# Altium PCB NGIStepUpPCB.PcbDoc (part 1 of 2) (continued)
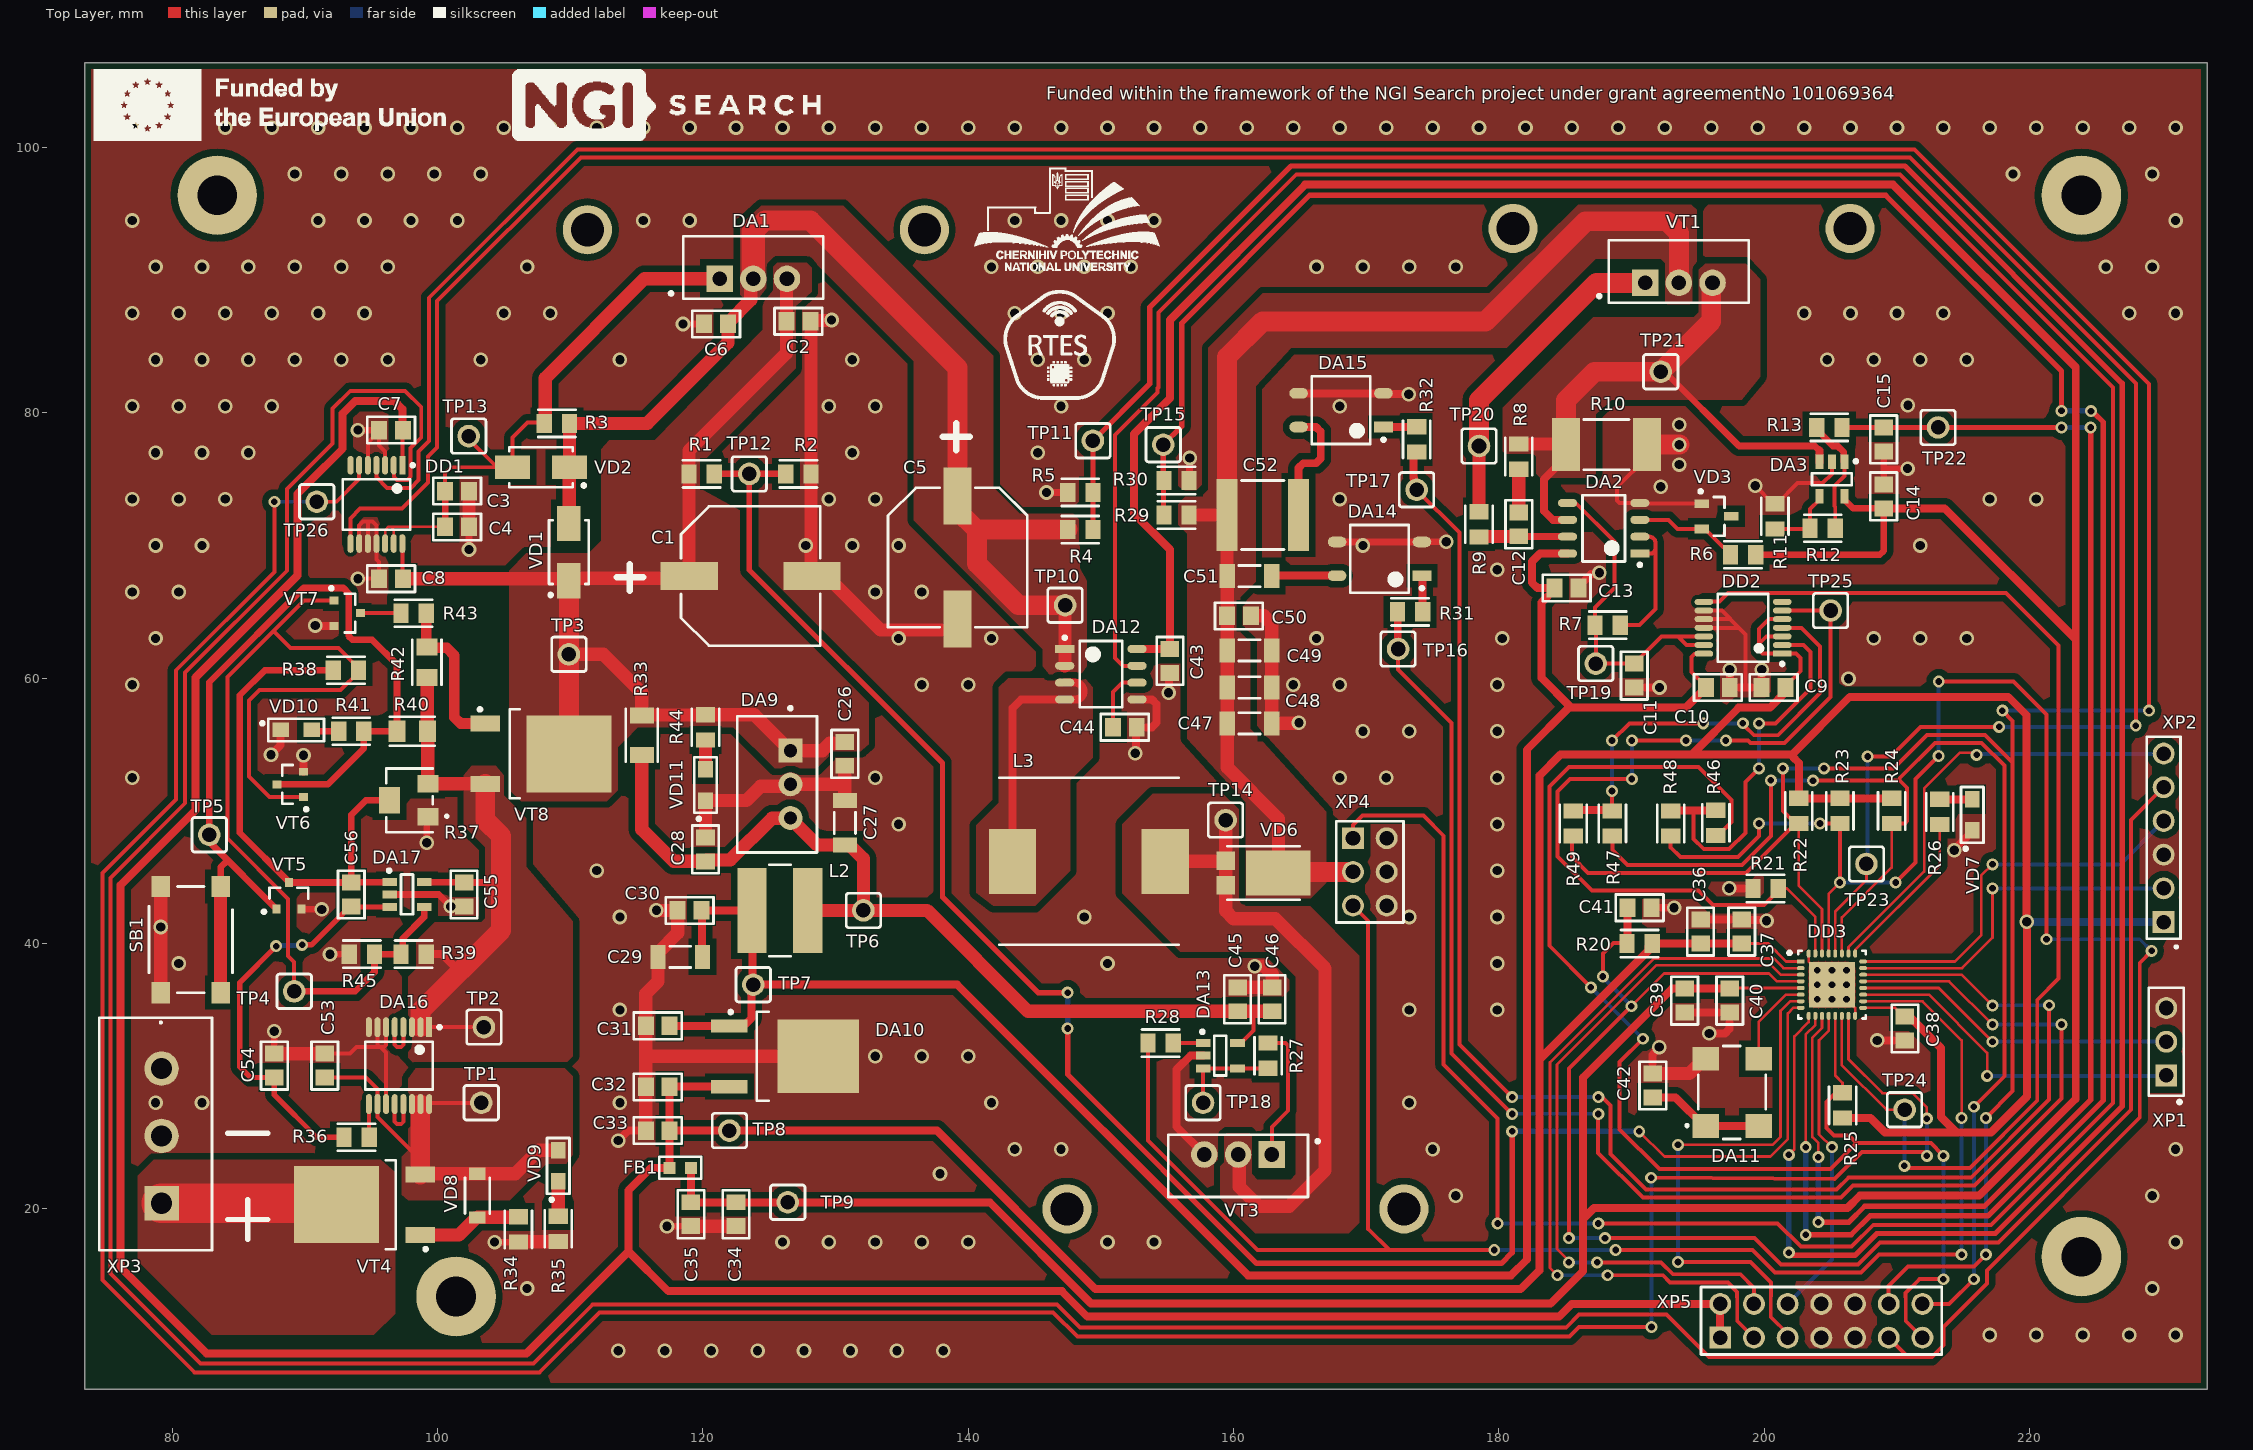
[diagram p0: Top Layer view]
## Part data (continued)
C52: "Multilayer Ceramic Capacitors MLCC - SMD/SMT 2220 35VDC 47uF 20% X7R", Case=2220, Dielectric=X7R, Manufacturer=TDK, Mouser Part Number=810-C5750X7R1V476M23, Power/Voltage=35V, Tolerance=20%, Datasheet Link=https://product.tdk.com/system/files/dam/doc/product/capacitor/ceramic/mlcc/catalog/mlcc_commercial_general_en.pdf, ManufacturerPartNumber=C5750X7R1V476M230KC, Mouser Price/Stock=https://eu.mouser.com/ProductDetail/TDK/C5750X7R1V476M230KC?qs=rSMjJ%252B1ewcSIfs95ZgB3Sw%3D%3D
C54: "Multilayer Ceramic Capacitors MLCC - SMD/SMT 50 V 680pF C0G 0805 5%", Case=0805, Dielectric="C0G (NP0)", Manufacturer=YAGEO, Mouser Part Number=603-CC805JRNPO9BN681, Power/Voltage=50V, Tolerance=5%, Datasheet Link=https://eu.mouser.com/datasheet/2/447/UPY_GP_NP0_16V_to_50V_18-1730511.pdf, ManufacturerPartNumber=CC0805JRNPO9BN681, Mouser Price/Stock=https://eu.mouser.com/ProductDetail/YAGEO/CC0805JRNPO9BN681?qs=AgBp2OyFlx9ovATSZcyCAw%3D%3D
C56: "Multilayer Ceramic Capacitors MLCC - SMD/SMT 50 V 10 pF C0G 0805 5%", Case=0805, Dielectric="C0G (NP0)", Manufacturer=YAGEO, Mouser Part Number=603-CC805JRNPO9BN100, Power/Voltage=50V, Tolerance=5%, Datasheet Link=https://eu.mouser.com/datasheet/2/447/UPY_GP_NP0_16V_to_50V_18-1730511.pdf, ManufacturerPartNumber=CC0805JRNPO9BN100, Mouser Price/Stock=https://eu.mouser.com/ProductDetail/YAGEO/CC0805JRNPO9BN100?qs=DBlb8Oi07mYgwCvOiwRYAw%3D%3D
DA1: "Linear Voltage Regulators 5 AMP ADJUSTABLE REG", Case=TO-220, Manufacturer="Texas Instruments", Mouser Part Number=926-LM338T/NOPB, Datasheet Link=https://www.ti.com/lit/ds/symlink/lm138.pdf?ts=1704385927498&ref_url=https%253A%252F%252Feu.mouser.com%252F, ManufacturerPartNumber=LM338T, Mouser Price/Stock=https://eu.mouser.com/ProductDetail/Texas-Instruments/LM338T-NOPB?qs=X1J7HmVL2ZENaH7%2FMvkSlw%3D%3D
DA2: "Operational Amplifiers - Op Amps Dual Operational Amplifier", Case=SOIC-8, Manufacturer="Texas Instruments", Mouser Part Number=595-LM258DRG4, Datasheet Link=https://www.ti.com/lit/ds/symlink/lm2904ba.pdf?ts=1704458867193&ref_url=https%253A%252F%252Fwww.mouser.com.tr%252F, ManufacturerPartNumber=LM258DRG4, Mouser Price/Stock=https://eu.mouser.com/ProductDetail/Texas-Instruments/LM258DRG4?qs=VBduBm9rCJSSuHFL4rPBDA%3D%3D
DA3: "Precision Amplifiers Single, Lw Cst, 8MHz, RRIO, 5V OpAmp", Case="SOT-23 5pin", Manufacturer="Analog Devices Inc.", Mouser Part Number=584-AD8601WDRTZ-R, Datasheet Link=https://eu.mouser.com/datasheet/2/609/ad8601_8602_8604-3119459.pdf, ManufacturerPartNumber=AD8601WDRTZ-REEL, Mouser Price/Stock=https://eu.mouser.com/ProductDetail/Analog-Devices/AD8601WDRTZ-REEL?qs=%2FtpEQrCGXCxTn38zRtQA5Q%3D%3D
DA9: "Non-Isolated DC/DC Converters dc-dc non-isolated, 0.5 A, 15-36 Vdc input, 12 Vdc output, SIP", Case=POSITIVEOUTPUT, Manufacturer="CUI Inc.", Mouser Part Number=490-PXO7812-500-S, Datasheet Link=https://eu.mouser.com/datasheet/2/670/pxo78_500_s-3313217.pdf, ManufacturerPartNumber=PXO7812-500-S, Mouser Price/Stock=https://eu.mouser.com/ProductDetail/CUI-Inc/PXO7812-500-S?qs=Y0Uzf4wQF3kdbacxg4U5TQ%3D%3D
DA10: "Linear Voltage Regulators 3.3 V 500mA Fix Pos Voltage Regulator", Case="TO-252 3pin", Manufacturer="Texas Instruments", Mouser Part Number=595-UA78M33CKVURG3, Datasheet Link=https://www.ti.com/lit/ds/symlink/ua78m.pdf?ts=1704830544530&ref_url=https%253A%252F%252Fwww.mouser.ch%252F, ManufacturerPartNumber=UA78M33CKVURG3, Mouser Price/Stock=https://eu.mouser.com/ProductDetail/Texas-Instruments/UA78M33CKVURG3?qs=0O%2FZFlpUpJXrDg4gfD1Q2g%3D%3D
DA11: "Standard Clock Oscillators XTAL OSC XO 8.0000MHZ HCMOS SMD", Case="HCMOS 7 mm x 5 mm", Manufacturer=ABRACON, Mouser Part Number=815-ASV-8-EJ-T, Datasheet Link=https://eu.mouser.com/datasheet/2/3/ASV-3106233.pdf, ManufacturerPartNumber=ASV-8.000MHZ-EJ-T, Mouser Price/Stock=https://eu.mouser.com/ProductDetail/ABRACON/ASV-8.000MHZ-EJ-T?qs=2xLVn2jvFusvDzqul0mkiw%3D%3D
DA12: "Board Mount Current Sensors XtremeSense TMR Ultra-Low Noise, 8-lead SOIC (20 ADC; VDD = 3.3 V; Up to +125C)", Case=SOIC-8, Manufacturer="Crocus Technology", Mouser Part Number=462-CT426-HSN820DR, Datasheet Link=https://eu.mouser.com/datasheet/2/779/CT426_Data_Sheet_Rev0_7-2934570.pdf, ManufacturerPartNumber=CT426-HSN820DR, Mouser Price/Stock=https://eu.mouser.com/ProductDetail/Crocus/CT426-HSN820DR?qs=7D1LtPJG0i3u5AJ0mZ7fbw%3D%3D
DA13: "Gate Drivers 25V 1-CH low-side 1.5A,Single input", Case="SOT-23 5pin", Manufacturer=Infineon, Mouser Part Number=942-IRS44273LTRPBF, Datasheet Link=https://eu.mouser.com/datasheet/2/196/Infineon_IRS44273L_DS_v01_00_EN-3363539.pdf, ManufacturerPartNumber=IRS44273LTRPBF, Mouser Price/Stock=https://eu.mouser.com/ProductDetail/Infineon-Technologies/IRS44273LTRPBF?qs=mm%2F7efQvNxqxS8rwPY9f8Q%3D%3D
DA14 DA15: "Solid State Relays - PCB Mount 60V,1.7A, 80mOhm ONr 1 Form A, SOP4/SMT", Case=SOP-4, Manufacturer=Omron, Mouser Part Number=653-G3VM61GR2, Datasheet Link=https://eu.mouser.com/datasheet/2/307/en-g3vm_61gr2-780127.pdf, ManufacturerPartNumber=G3VM-61GR2, Mouser Price/Stock=https://eu.mouser.com/ProductDetail/Omron-Electronics/G3VM-61GR2?qs=ycOx5YLpuFVseArz%252BUpyOA%3D%3D
DA16: "Current & Power Monitors & Regulators 36V, bi-directional, precision current sense amplifier w/int. shunt resistor 16-TSSOP -40 to 125", Case=TSSOP-16, Manufacturer="Texas Instruments", Mouser Part Number=595-INA250A1PWR, Datasheet Link=https://www.ti.com/lit/ds/symlink/ina250.pdf?ts=1706467287893&ref_url=https%253A%252F%252Feu.mouser.com%252F, ManufacturerPartNumber=INA250A1PWR, Mouser Price/Stock=https://eu.mouser.com/ProductDetail/Texas-Instruments/INA250A1PWR?qs=dHDuPHwQO790CDZpmrjjbA%3D%3D
DA17: "Analog Comparators 2.2-V to 36-V, micro Power Comparator", Case="SOT-23 5pin", Manufacturer="Texas Instruments", Datasheet Link=https://www.ti.com/lit/ds/symlink/tlv1702.pdf?ts=1706525533181&ref_url=https%253A%252F%252Feu.mouser.com%252F, ManufacturerPartNumber=TLV1701AIDCKR, Mouser Part Number=TLV1701AIDCKR, Mouser Price/Stock=https://eu.mouser.com/ProductDetail/Texas-Instruments/TLV1701AIDCKR?qs=n7vHx8wJlDHoumX0KH24OA%3D%3D
DD1 DD2: "Digital Potentiometer ICs 8-bit, vol Digi Pot 5K ohm, 14ld TSSOP", Case=TSSOP-14, Manufacturer=Microchip, Mouser Part Number=579-MCP45HV51-502EST, Datasheet Link=https://eu.mouser.com/datasheet/2/268/MCP45HVX1_Data_Sheet_DS20005304-3224813.pdf, ManufacturerPartNumber=MCP45HV51-502E/ST, Mouser Price/Stock=https://eu.mouser.com/ProductDetail/Microchip-Technology/MCP45HV51-502E-ST?qs=wzzOUr4NhYo51RHFtIUWQw%3D%3D
DD3: "ARM Microcontrollers - MCU Ultra-low-power FPU Arm Cortex-M4 MCU 80 MHz 256 Kbytes of Flash , USB", Case=UFQFPN-32, Manufacturer=STMicroelectronics, Mouser Part Number=511-STM32L432KCU6, Datasheet Link=https://eu.mouser.com/datasheet/2/389/stm32l432kb-1851151.pdf, ManufacturerPartNumber=STM32L432KCU6, Mouser Price/Stock=https://eu.mouser.com/ProductDetail/STMicroelectronics/STM32L432KCU6?qs=dTJS0cRn7oiybcTRwI97Tw%3D%3D
FB1: "Ferrite Beads WE-CBF 0603 100MHz 1000Ohm 300mA AEC-Q200", Case=0603, Frequency="100 MHz", Manufacturer="Wurth Elektronik", Maximum Current="300 mA", Mouser Part Number=710-742792664, Datasheet Link=https://www.we-online.com/components/products/datasheet/742792664.pdf, ManufacturerPartNumber=742792664, Mouser Price/Stock=https://eu.mouser.com/ProductDetail/Wurth-Elektronik/742792664?qs=5twSNpOB8ICHwt6lnbKGWQ%3D%3D
L2: "Power Inductors - SMD Ind,6x6x4.7mm,47uH+/-20%,1A,semi-shd", Case=R55, Manufacturer=Bourns, Maximum Current="1 A", Maximum Resistance="305 mOhms", Mouser Part Number=652-SRN6045HA-470M, Tolerance=20%, Datasheet Link=https://eu.mouser.com/datasheet/2/54/SRN6045HA_datasheet-2498144.pdf, ManufacturerPartNumber=SRN6045HA-470M, Mouser Price/Stock=https://eu.mouser.com/ProductDetail/Bourns/SRN6045HA-470M?qs=e8oIoAS2J1TQqJ%2FyaON1CQ%3D%3D
L3: "Power Inductors - SMD 22uH 8A 6.5mm 20% SMT", Case="Footprint 2", Manufacturer="Pulse Electronics", Maximum Current="10 A", Maximum Resistance="35 mOhms", Mouser Part Number=673-PA4343.223ANLT, Tolerance=20%, Datasheet Link=https://eu.mouser.com/datasheet/2/447/pulse_plei_s_a0011300682_1-2904644.pdf, ManufacturerPartNumber=PA4343.223ANLT, Mouser Price/Stock=https://eu.mouser.com/ProductDetail/Pulse-Electronics/PA4343.223ANLT?qs=chTDxNqvsynRNYLFa1aovw%3D%3D
R1 R4 R29: "Thick Film Resistors 9.1 kOhms 125 mW 0805 1%", Case=0805, Manufacturer=YAGEO, Mouser Part Number=603-RC0805FR-079K1L, Power/Voltage="125 mW / 150V", Tolerance=1%, Datasheet Link=https://eu.mouser.com/datasheet/2/447/YAGEO_PYu_RC_Group_51_RoHS_L_12-3313492.pdf, ManufacturerPartNumber=RC0805FR-079K1L, Mouser Price/Stock=https://eu.mouser.com/ProductDetail/YAGEO/RC0805FR-079K1L?qs=sGAEpiMZZMvdGkrng054t8AJgcdMkx7xQsgCDGWWsX0%3D
R2 R5 R30: "Thick Film Resistors 1.3 kOhms 250 mW 0805 1%", Case=0805, Manufacturer=YAGEO, ManufacturerPartNumber=RC0805FR-101K3, Mouser Part Number=603-RC0805FR-101K3L, Power/Voltage="250 mW / 150V", Tolerance=1%, Datasheet Link=https://eu.mouser.com/datasheet/2/447/PYu_RC_Group_51_RoHS_L_11-1984063.pdf, Mouser Price/Stock=https://eu.mouser.com/ProductDetail/YAGEO/RC0805FR-101K3L?qs=sGAEpiMZZMvdGkrng054tyq4809kW%252ByTH4crGNSozBI%3D
R3 R9 R13 R28: "Thick Film Resistors 120 Ohms 125 mW 0805 1%", Case=0805, Manufacturer=YAGEO, Mouser Part Number=603-RC0805FR-07120RL, Power/Voltage="125 mW / 150V", Tolerance=1%, Datasheet Link=https://eu.mouser.com/datasheet/2/447/YAGEO_PYu_RC_Group_51_RoHS_L_12-3313492.pdf, ManufacturerPartNumber=RC0805FR-07120RL, Mouser Price/Stock=https://eu.mouser.com/ProductDetail/YAGEO/RC0805FR-07120RL?qs=sGAEpiMZZMvdGkrng054t8Tx25L%252BvTaRzcdZIgz1A9Y%3D
R6: "Thick Film Resistors 3.9kOhms 1/8W 0805 1%", Case=0805, Manufacturer=YAGEO, Mouser Part Number=603-RC0805FR-103K9L, Power/Voltage="125 mW / 150V", Tolerance=1%, Datasheet Link=https://eu.mouser.com/datasheet/2/447/PYu_RC_Group_51_RoHS_L_11-1984063.pdf, ManufacturerPartNumber=RC0805FR-103K9L, Mouser Price/Stock=https://eu.mouser.com/ProductDetail/YAGEO/RC0805FR-103K9L?qs=sGAEpiMZZMvdGkrng054t8AJgcdMkx7xNu5h6kkjzWs%3D
R7: "Thick Film Resistors 20 kOhms 125 mW 0805 1%", Case=0805, Manufacturer=YAGEO, Mouser Part Number=603-RC0805FR-1020KL, Power/Voltage="125 mW / 150V", Tolerance=1%, Datasheet Link=https://eu.mouser.com/datasheet/2/447/PYu_RC_Group_51_RoHS_L_11-1984063.pdf, ManufacturerPartNumber=RC0805FR-1020KL, Mouser Price/Stock=https://eu.mouser.com/ProductDetail/YAGEO/RC0805FR-1020KL?qs=sGAEpiMZZMvdGkrng054t7z4BkURc4LzyQBLWrMO%252BznK%2FJbWTd%2FqOQ%3D%3D
R8 R11: "Thick Film Resistors 2 kOhms 125 mW 0805 1%", Case=0805, Manufacturer=YAGEO, Mouser Part Number=603-RC0805FR-072KL, Power/Voltage="125 mW / 150V", Tolerance=1%, Datasheet Link=https://eu.mouser.com/datasheet/2/447/YAGEO_PYu_RC_Group_51_RoHS_L_12-3313492.pdf, ManufacturerPartNumber=RC0805FR-072KL, Mouser Price/Stock=https://eu.mouser.com/ProductDetail/YAGEO/RC0805FR-072KL?qs=sGAEpiMZZMvdGkrng054t8Tx25L%252BvTaRvd4yrUANrI8%3D
R10: "Current Sense Resistors 0.100ohms 1% +/- 50PPM", Case=2512, Manufacturer=Bourns, Mouser Part Number=652-CRA2512FZR100ELF, Power/Voltage="3 W", Tolerance=1%, Datasheet Link=https://eu.mouser.com/datasheet/2/54/cra-1862173.pdf, ManufacturerPartNumber=CRA2512-FZ-R100ELF, Mouser Price/Stock=https://eu.mouser.com/ProductDetail/Bourns/CRA2512-FZ-R100ELF?qs=sGAEpiMZZMvdGkrng054t219Tlw6YGVDJEjBibzyJuk%3D
R12 R20 R21 R22 R23 R24 R25 R36 R39 R45: "Thick Film Resistors 10 kOhms 125 mW 0805 1%", Case=0805, Manufacturer=YAGEO, Mouser Part Number=603-RC0805FR-0710KL, Power/Voltage="125 mW / 150V", Tolerance=1%, Datasheet Link=https://eu.mouser.com/datasheet/2/447/YAGEO_PYu_RC_Group_51_RoHS_L_12-3313492.pdf, ManufacturerPartNumber=RC0805FR-0710KL, Mouser Price/Stock=https://eu.mouser.com/ProductDetail/YAGEO/RC0805FR-0710KL?qs=sGAEpiMZZMvdGkrng054txdMlaQGj9fi4uZGpN02qIo%3D
R26: "Thick Film Resistors 200Ohms 1/8W 0805 1%", Case=0805, Manufacturer=YAGEO, Mouser Part Number=603-RC0805FR-10200RL, Power/Voltage="125 mW / 150V", Tolerance=1%, Datasheet Link=https://www.yageo.com/upload/media/product/productsearch/datasheet/rchip/PYu-RC_Group_51_RoHS_L_12.pdf, ManufacturerPartNumber=RC0805FR-10200RL, Mouser Price/Stock=https://eu.mouser.com/ProductDetail/YAGEO/RC0805FR-10200RL?qs=sGAEpiMZZMvdGkrng054t7z4BkURc4LzuHPKHxVOSmZu%252BG%252BXJlK7UA%3D%3D
R27: "Thick Film Resistors 10 Ohms 125 mW 0805 1%", Case=0805, Manufacturer=YAGEO, Mouser Part Number=603-RE0805FRE0710RL, Power/Voltage="125 mW / 150V", Tolerance=1%, Datasheet Link=https://eu.mouser.com/datasheet/2/447/PYu_RE_105_RoHS_L_6-3003059.pdf, ManufacturerPartNumber=RE0805FRE0710RL, Mouser Price/Stock=https://eu.mouser.com/ProductDetail/YAGEO/RE0805FRE0710RL?qs=sGAEpiMZZMvdGkrng054txKsa61JPVaKU6lpEP28x7tdTAAdaUzZLA%3D%3D
R31 R32: "Thick Film Resistors 390 Ohms 125 mW 0805 1%", Case=0805, Manufacturer=YAGEO, Mouser Part Number=603-RC0805FR-07390RL, Power/Voltage="125 mW / 150V", Tolerance=1%, Datasheet Link=https://eu.mouser.com/datasheet/2/447/YAGEO_PYu_RC_Group_51_RoHS_L_12-3313492.pdf, ManufacturerPartNumber=RC0805FR-07390RL, Mouser Price/Stock=https://eu.mouser.com/ProductDetail/YAGEO/RC0805FR-07390RL?qs=sGAEpiMZZMvdGkrng054txsj74Bdh5mga79f2h4RYlI%3D
R33: "Thick Film Resistors 0 Ohms 250 mW 1206 1%", Case=1206, Manufacturer=YAGEO, Mouser Part Number=603-RC1206FR-070RL, Power/Voltage="250 mW / 200 V", Tolerance=1%, Datasheet Link=https://eu.mouser.com/datasheet/2/447/YAGEO_PYu_RC_Group_51_RoHS_L_12-3313492.pdf, ManufacturerPartNumber=RC1206FR-070RL, Mouser Price/Stock=https://eu.mouser.com/ProductDetail/YAGEO/RC1206FR-070RL?qs=sGAEpiMZZMvdGkrng054t3pr%252BPE%2FADjs%252BFqZDLJFx1g%3D
R34: "Thick Film Resistors 39 kOhms 125 mW 0805 1%", Case=0805, Manufacturer=YAGEO, Mouser Part Number=603-RE0805FRE0739KL, Power/Voltage="125 mW / 150V", Tolerance=1%, Datasheet Link=https://eu.mouser.com/datasheet/2/447/PYu_RE_105_RoHS_L_6-3003059.pdf, ManufacturerPartNumber=RE0805FRE0739KL, Mouser Price/Stock=https://eu.mouser.com/ProductDetail/YAGEO/RE0805FRE0739KL?qs=sGAEpiMZZMvdGkrng054t8Pyfa06IR6dA9gJB6K12e1zjPrdMTPWEg%3D%3D
R35 R44: "Thick Film Resistors 2.2 kOhms 250 mW 0805 1%", Case=0805, Manufacturer=YAGEO, Mouser Part Number=603-RC0805FR-132K2L, Power/Voltage="250 mW / 150V", Tolerance=1%, Datasheet Link=https://eu.mouser.com/datasheet/2/447/YAGEO_PYu_RC_Group_51_RoHS_L_12-3313492.pdf, ManufacturerPartNumber=RC0805FR-132K2L, Mouser Price/Stock=https://eu.mouser.com/ProductDetail/YAGEO/RC0805FR-132K2L?qs=sGAEpiMZZMvdGkrng054t8AJgcdMkx7x7aXSywnMiOE%3D
R37: "Trimmer Resistors - SMD 20Kohms 5mm 11turn Top Adjust", Case=PVG5A, Manufacturer=Bourns, Mouser Part Number=81-PVG5A203C03R00, Power/Voltage="250 mW", Tolerance=10%, Datasheet Link=https://eu.mouser.com/datasheet/2/54/pvg5-907351.pdf, ManufacturerPartNumber=PVG5A203C03R00, Mouser Price/Stock=https://eu.mouser.com/ProductDetail/Bourns/PVG5A203C03R00?qs=K6aI6PsrKE0LOWormtvBdw%3D%3D
R38: "Thick Film Resistors 51 kOhms 125 mW 0805 1%", Case=0805, Manufacturer=YAGEO, Mouser Part Number=603-RC0805FR-0751KL, Power/Voltage="125 mW / 150V", Tolerance=1%, Datasheet Link=https://eu.mouser.com/datasheet/2/447/YAGEO_PYu_RC_Group_51_RoHS_L_12-3313492.pdf, ManufacturerPartNumber=RC0805FR-0751KL, Mouser Price/Stock=https://eu.mouser.com/ProductDetail/YAGEO/RC0805FR-0751KL?qs=sGAEpiMZZMvdGkrng054t8AJgcdMkx7x7tQBjPKHhxY%3D
R40 R42: "Thick Film Resistors 500mW 1.8Kohms 1% 100ppm AEC-Q200", Case=0805, Manufacturer=Vishay, Mouser Part Number=71-RCS08051K80FKEA, Power/Voltage="500 mW / 150V", Tolerance=1%, Datasheet Link=https://www.vishay.com/docs/20065/rcse3.pdf, ManufacturerPartNumber=RCS08051K80FKEA, Mouser Price/Stock=https://eu.mouser.com/ProductDetail/Vishay-Dale/RCS08051K80FKEA?qs=sGAEpiMZZMvdGkrng054t556eu%2FvOimDPinpy0KfWNKlrcvC2gOqHQ%3D%3D
R41: "Thick Film Resistors 470Ohms 1/8W 0805 1%", Case=0805, Manufacturer=YAGEO, Mouser Part Number=603-RC0805FR-13470RL, Power/Voltage="125 mW / 150V", Tolerance=1%, Datasheet Link=https://eu.mouser.com/datasheet/2/447/PYu_RC_Group_51_RoHS_L_11-1984063.pdf, ManufacturerPartNumber=RC0805FR-13470RL, Mouser Price/Stock=https://eu.mouser.com/ProductDetail/YAGEO/RC0805FR-13470RL?qs=sGAEpiMZZMvdGkrng054t8AJgcdMkx7xT%252BvX9TIwRXU%3D
R43: "Thick Film Resistors 820 Ohms 125 mW 0805 1%", Case=0805, Manufacturer=YAGEO, Mouser Part Number=603-RC0805FR-07820RL, Power/Voltage="125 mW / 150V", Tolerance=1%, Datasheet Link=https://eu.mouser.com/datasheet/2/447/YAGEO_PYu_RC_Group_51_RoHS_L_12-3313492.pdf, ManufacturerPartNumber=RC0805FR-07820RL, Mouser Price/Stock=https://eu.mouser.com/ProductDetail/YAGEO/RC0805FR-07820RL?qs=sGAEpiMZZMvdGkrng054t8Tx25L%252BvTaRw7u%2FIxz%252Bh2w%3D
R46 R47 R48 R49: "Thick Film Resistors 0 Ohms 125 mW 0805 1%", Case=0805, Manufacturer=YAGEO, Mouser Part Number=603-RC0805FR-070RL, Power/Voltage="125 mW / 150V", Tolerance=1%, Datasheet Link=https://eu.mouser.com/datasheet/2/447/YAGEO_PYu_RC_Group_51_RoHS_L_12-3313492.pdf, ManufacturerPartNumber=RC0805FR-070RL, Mouser Price/Stock=https://eu.mouser.com/ProductDetail/YAGEO/RC0805FR-070RL?qs=sGAEpiMZZMvdGkrng054tx7%2F6%252BNA3LAJ3XU3yVJUh88%3D
SB1: "Tactile Switches Tactile Switch", Case=Flat, Manufacturer=Omron, Mouser Part Number=653-B3FS-1012P, Datasheet Link=https://eu.mouser.com/datasheet/2/307/omron_B3FS-1189765.pdf, ManufacturerPartNumber=B3FS-1012P, Mouser Price/Stock=https://eu.mouser.com/ProductDetail/Omron-Electronics/B3FS-1012P?qs=1tDaWCEHQQ7mwfTJVAKWQA%3D%3D
VD1 VD2: "Rectifiers 50V 1a Fast Rect SMa", Case="SMA 403AE", Manufacturer=onsemi, Mouser Part Number=512-RS1A, Datasheet Link=https://eu.mouser.com/datasheet/2/308/1/RS1M_D-2320127.pdf, ManufacturerPartNumber=RS1A, Mouser Price/Stock=https://eu.mouser.com/ProductDetail/onsemi-Fairchild/RS1A?qs=sGAEpiMZZMutXGli8Ay4kAXd892%252BOdvfjQsX8ptTDkM%3D
VD3: "Voltage References Shunt Voltage Reference, 2.5V, 1.0% Accuracy, 150ppm/deg", Case="SOT-23 3pin", Manufacturer=Microchip, Mouser Part Number=998-LM4040DYM3-2.5TR, Datasheet Link=https://eu.mouser.com/datasheet/2/268/LM4040_41_Precision_Micropower_Shunt_Voltage_Refer-1890894.pdf, ManufacturerPartNumber=LM4040DYM3-2.5-TR, Mouser Price/Stock=https://eu.mouser.com/ProductDetail/Microchip-Technology/LM4040DYM3-2.5-TR?qs=Y3Q3JoKAO1S64N4CecjyLw%3D%3D
VD6: "Schottky Diodes & Rectifiers 20A Trench SBR 100V 20A 0.70Vf 0.3mA", Case=PowerDI5-3, Manufacturer="Diodes Incorporated", Mouser Part Number=621-SBRT20U60SP57, Datasheet Link=https://eu.mouser.com/datasheet/2/115/DIOD_S_A0001069160_1-2541914.pdf, ManufacturerPartNumber=SBRT20U60SP5-7, Mouser Price/Stock=https://eu.mouser.com/ProductDetail/Diodes-Incorporated/SBRT20U60SP5-7?qs=JtunSoW0QGHhdN393pOqEQ%3D%3D
VD7 VD9 VD11: "Standard LEDs - SMD 2.0X1.2MM LOW CRNT", Case=0805, Manufacturer=Kingbright, Mouser Part Number=604-APT2012LZGCK, Datasheet Link=https://eu.mouser.com/datasheet/2/216/APT2012LZGCK-535687.pdf, ManufacturerPartNumber=APT2012LZGCK, Mouser Price/Stock=https://eu.mouser.com/ProductDetail/Kingbright/APT2012LZGCK?qs=6oMev5NRZMHOosFiXb%2F3qw%3D%3D
VD8: "Zener Diodes 10V 500mW", Case=SOD-123-2, Manufacturer=onsemi, Mouser Part Number=863-MMSZ4697T1G, Datasheet Link=https://eu.mouser.com/datasheet/2/308/1/MMSZ4678T1_D-2316153.pdf, ManufacturerPartNumber=MMSZ4697T1G, Mouser Price/Stock=https://eu.mouser.com/ProductDetail/onsemi/MMSZ4697T1G?qs=P4IOph%252Bbot8MYBlZDJ3TeA%3D%3D
VD10: "Standard LEDs - SMD HI EFF RED WTR CLR", Case=0805, Manufacturer=Kingbright, Mouser Part Number=604-APT2012EC, Datasheet Link=https://eu.mouser.com/datasheet/2/216/APT2012EC-35230.pdf, ManufacturerPartNumber=APT2012EC, Mouser Price/Stock=https://eu.mouser.com/ProductDetail/Kingbright/APT2012EC?qs=sGAEpiMZZMvyj6n1w4pZD5QO%2FJ%252BHmnjZ4Dr1%252BP7JiL4%3D
VT1 VT3: "MOSFT 55V 17A 70mOhm 13.3nC", Case=TO-220, Manufacturer=Infineon, Mouser Part Number=942-IRFZ24NPBF, Datasheet Link=https://eu.mouser.com/datasheet/2/196/Infineon_IRFZ24N_DataSheet_v01_01_EN-3363353.pdf, ManufacturerPartNumber=IRFZ24NPBF, Mouser Price/Stock=https://eu.mouser.com/ProductDetail/Infineon-Technologies/IRFZ24NPBF?qs=9%252BKlkBgLFf0TQgSTtY4J0g%3D%3D
VT4 VT8: "MOSFET (20V 40V)", Case="TO-252 3pin", Manufacturer=Infineon, Datasheet Link=https://eu.mouser.com/datasheet/2/196/Infineon_IPD70P04P4_09_DS_v01_00_en-1730695.pdf, ManufacturerPartNumber=IPD70P04P409ATMA2, Mouser Part Number=IPD70P04P409ATMA2, Mouser Price/Stock=https://eu.mouser.com/ProductDetail/Infineon-Technologies/IPD70P04P409ATMA2?qs=GBLSl2Akiru5vq%252BvDEUdzg%3D%3D
VT5 VT6 VT7: "MOSFET 2N7002NXAK/SOT23/TO-236AB", Case="SOT-23 3pin", Manufacturer=Nexperia, Mouser Part Number=771-2N7002NXAKR, Datasheet Link=https://eu.mouser.com/datasheet/2/916/2N7002NXAK-1623722.pdf, ManufacturerPartNumber=2N7002NXAKR, Mouser Price/Stock=https://eu.mouser.com/ProductDetail/Nexperia/2N7002NXAKR?qs=%252B6g0mu59x7JoAsZYPFXqhw%3D%3D
XP1: "Headers & Wire Housings 03 SIL VERTICAL PIN HEADER TIN", Case="3 VERTICAL PIN Pitch: 2.54 mm", Manufacturer=Harwin, Mouser Part Number=855-M20-9770346, Datasheet Link=https://eu.mouser.com/datasheet/2/181/M20-977-1220590.pdf, ManufacturerPartNumber=M20-9770346, Mouser Price/Stock=https://eu.mouser.com/ProductDetail/Harwin/M20-9770346?qs=Jph8NoUxIfVn3Cgrvt8MYw%3D%3D
XP2: "Headers & Wire Housings 06 SIL VERTICAL PIN HEADER TIN", Case="6 VERTICAL PIN Pitch: 2.54 mm", Manufacturer=Harwin, Datasheet Link=https://eu.mouser.com/datasheet/2/181/M20-999-1218971.pdf, ManufacturerPartNumber=M20-9990646, Mouser Part Number=M20-9990646, Mouser Price/Stock=https://eu.mouser.com/ProductDetail/Harwin/M20-9990646?qs=Jph8NoUxIfXDcWZbabSSiw%3D%3D
XP3: "Pluggable Terminal Blocks WR-TBL 300VAC 20A 3P Vertical", Case="3 VERTICAL PIN Pitch: 5.08 mm", Manufacturer="Wurth Elektronik", Mouser Part Number=710-691311500103, Datasheet Link=https://www.we-online.com/components/products/datasheet/691311500103.pdf, ManufacturerPartNumber=691311500103, Mouser Price/Stock=https://eu.mouser.com/ProductDetail/Wurth-Elektronik/691311500103?qs=2kOmHSv6VfTr95JPv5RlIw%3D%3D
XP4: "Headers & Wire Housings 03+03 DIL VERTICAL PIN HEADER TIN", Case="03+03 DIL VERTICAL PIN", Manufacturer=Harwin, Mouser Part Number=855-M20-9980346, Datasheet Link=https://eu.mouser.com/datasheet/2/181/M20-998-1220570.pdf, ManufacturerPartNumber=M20-9980346, Mouser Price/Stock=https://eu.mouser.com/ProductDetail/Harwin/M20-9980346?qs=%252Bk6%2F5FB6qrmHk2P20oz3FA%3D%3D
XP5: "Headers & Wire Housings 07+07 DIL VERTICAL PIN HEADER TIN", Case="07+07 DIL VERTICAL PIN", Manufacturer=Harwin, Mouser Part Number=855-M20-9980746, Datasheet Link=https://eu.mouser.com/datasheet/2/181/M20-998-1220570.pdf, ManufacturerPartNumber=M20-9980746, Mouser Price/Stock=https://eu.mouser.com/ProductDetail/Harwin/M20-9980746?qs=%252Bk6%2F5FB6qrksRad0BXV2Qw%3D%3D

## Free pads (board coordinates)
  round 6 hole 3 unplated: 1(83.4,96.4) 2(101.4,13.4) 2(223.9,96.4) 3(223.9,16.4)

## Via types
v1: diameter 1.1, hole 0.7, Top Layer to Bottom Layer, tented both sides, 266 vias
v2: diameter 0.9, hole 0.5, Top Layer to Bottom Layer, tented both sides, 87 vias
v3: diameter 0.9, hole 0.5, Top Layer to Bottom Layer, 9 vias

## Nets (pads, with @x,y where several pads share a name; then routed paths per layer and width w, separated by ;. In a path a pad name is that pad's centre, name@x,y a point inside that pad or via, vN(x,y) a via of type N, cw(c..) or ccw(c..) an arc to the next point about the centre after c; other vN are vias at no path point)
+3.3V: C7.2 C9.2 C32.2 C33.2 C36.2 C37.2 C38.2 DA10.3 DD1.1 DD2.1 DD2.3 DD2.5 DD3.1 DD3.17 FB1.1 R20.2 R22.1 R23.2 R24.1 R25.1 TP8.1 XP2.1 XP5.1 XP5.2 | length 502.6
  Top Layer w0.2: C37.2@198.3,40 200.3,40 201.65,38.65 DD3.1@202.75,38.65 ; DD3.17@207.45,35.15 209.85,35.15 C38.2@210.55,34.45
  Top Layer w0.3: DD1.1@97.35,76.45 C7.2@97.35,78.65 ; DD2.3@201.35,63.15 200.15,63.15 199.6,62.6 ; DD2.5@201.35,64.45 200.35,64.45 199.6,63.7 199.6,62.6 ; C9.2@201.6,59.4 202.725,60.525 202.725,61.525 202.4,61.85 DD2.1@201.35,61.85 199.85,61.85 199.6,62.1 199.6,62.6
  Top Layer w0.6: C7.2@97.35,78.65 97.35,80.3 96.75,80.9 93.8,80.9 92.85,79.95 92.85,77.3 90.3,74.75 89.45,73.901 89.45,67.75 81.75,60.05 81.75,50.05 76.1,44.4 76.1,15.6 82.6,9.1 106.7,9.1 114.4,16.8 ; C32.2@117.5,29.2 C33.2@117.5,25.9 ; C32.2@117.51,29.21 DA10.3@122,29.21 ; 183.1,31.3 191.275,39.475 191.275,39.725 R20.2@191.55,40 C37.2@198.3,40 ; XP5.1@196.68,10.3 XP5.2@196.68,12.84 185.49,12.84 184.525,11.875 148.977,11.875 147.052,13.8 117.4,13.8 114.4,16.8 ; C9.2@201.6,59.3 201.6,58.951 200.425,57.776 198.073,57.776 194.547,54.25 ; 202.163,54.062 202.6,53.625 R22.1@202.6,50.95 R23.2@205.7,50.95 R24.1@209.6,50.95 ; R25.1@205.9,26.85 208,26.85 209.1,25.75 214.49,25.75 ; C38.2@210.6,34.5 210.949,34.5 213.322,32.127 213.322,26.918 214.49,25.75 ; 114.4,16.8 114.4,21.4 116.1,23.1 FB1.1@117.5,23.1 C33.2@117.5,25.9 ; C33.2@117.5,25.9 TP8.1@122,25.9 137.65,25.9 149.6,13.95 181.625,13.95 183.05,15.375 183.05,52.65 184.65,54.25 194.547,54.25 ; 194.547,54.25 202.1,54.25 206.45,58.6 218.385,58.6 219.775,57.21 v1(219.775,41.65) 219.8,41.625 219.8,28.465 217.085,25.75 214.49,25.75
  Bottom Layer w0.6: v1(219.775,41.65) 219.79,41.635 230.085,41.635 XP2.1@230.1,41.62
+12V: C27.2 C28.2 C45.2 C46.2 DA9.3 DA13.5 L2.1 R33.2 TP6.1 | length 70.4
  Top Layer w0.3: DA13.5@160.3,32.5 160.55,32.5 161.5,33.45 161.5,34.8
  Top Layer w1: R33.2@115.4,54.2 115.4,48.6 117.8,46.2 C28.2@120.2,46.2 120.3,46.3 122.069,46.3 125.217,49.449 126.589,49.449 DA9.3@126.6,49.46 128.635,47.425 C27.2@130.7,47.425 ; L2.1@127.9,42.5 TP6.1@132.1,42.5 ; C27.2@131.15,47.35 132.1,46.4 TP6.1@132.1,42.5 ; C46.2@162.9,34.9 C45.2@160.3,34.9 144.5,34.9 136.9,42.5 TP6.1@132.1,42.5
+24V: VT4.2 XP3.1 | length 13.2
  Top Layer w3: XP3.1@79.2,20.42 92.3,20.42 VT4.2@92.4,20.32